# Altium PCB Pleiades_PP.PcbDoc (part 4 of 15)
Units mil, origin at the board's own origin, x right, y up, seen from the top; angles counter-clockwise.
Board outline 12244.09 x 4515.28 mil, 12 copper layers (TOP, GND1, IN1, GND2, POW1, GND3, POW2, GND4, GND5, IN2, GND6, BOT), stack 63.546 mil thick; 1447 components, 738 nets, 4532 pads, 3316 vias.
Unrouted connection lines stored in the file: 499.
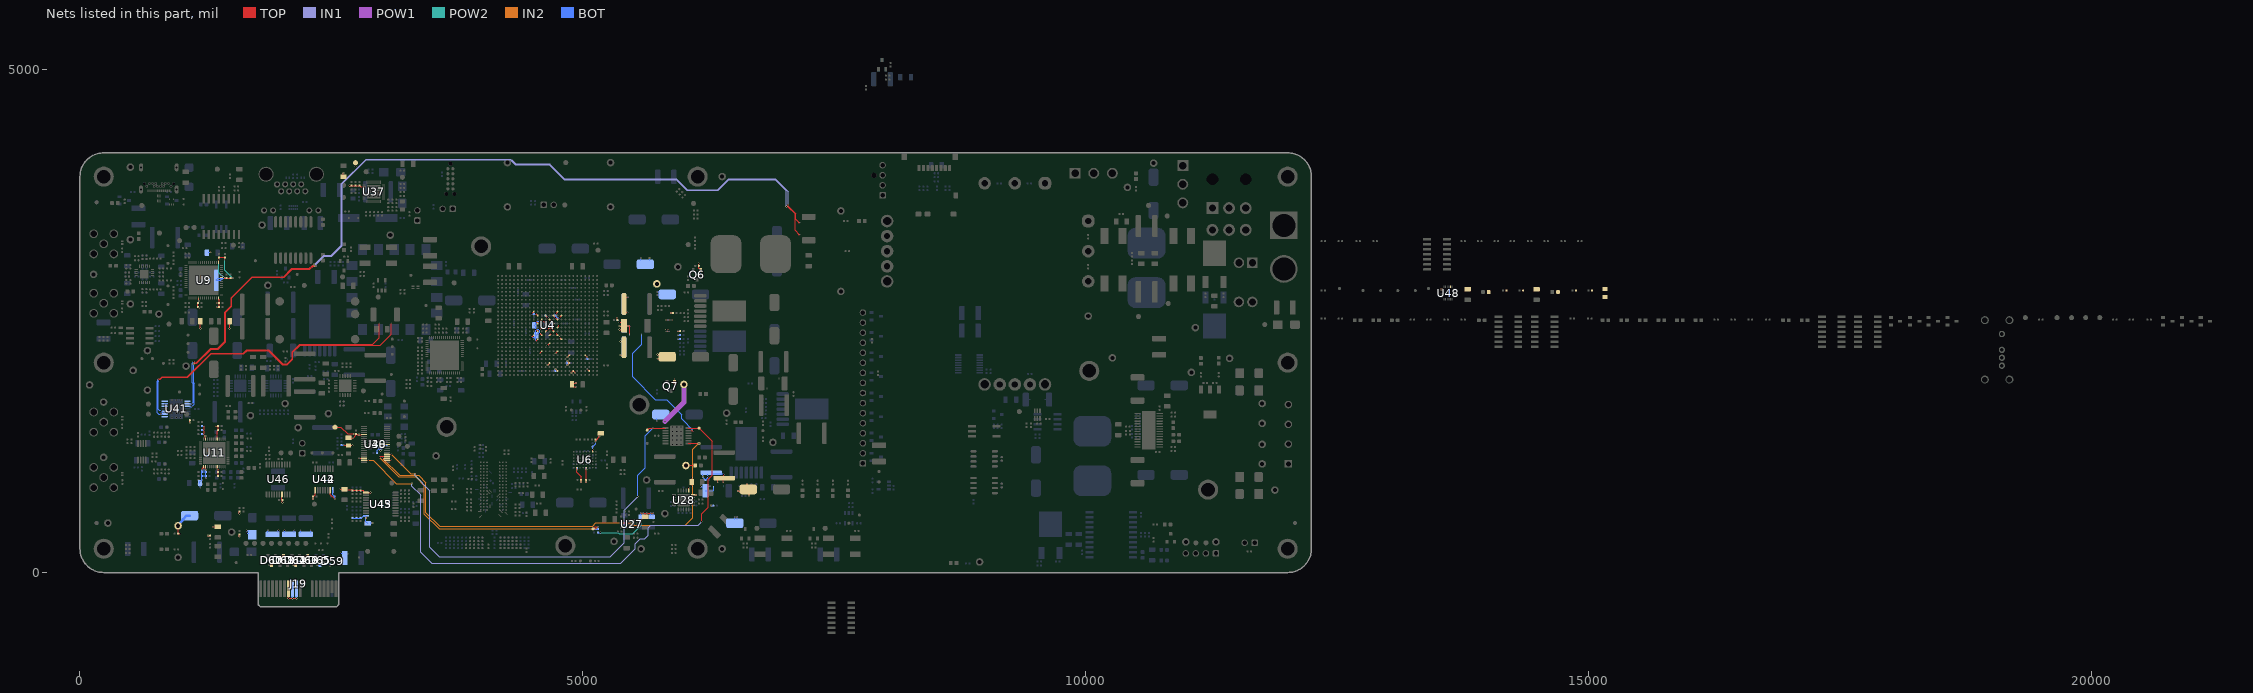
[diagram p14: the nets of this part, all layers, seen from the top]

## Part data (continued)
C105 C221 C230 C231 C240 C247 C256 C263 C304 C335 C362 C363 C370 C399 C402 C422 C426 C443 C446 C447 C448 C455 C482 C530 C557 C561: library part CAP_CER, "GRT31CR61H106KE01L / 1206 10uF 10% X5R Ceramic Capacitor", Mfr=Murata, Operating Temperature="-55C - 85C", Ratings=AEC-Q200, Supplier Part Number 1=GRT31CR61H106KE01L, Temperature Coefficient=X5R, Tolerance=10%, Voltage - Rated=50V, ComponentLink1Description=Digikey, ComponentLink1URL="[Digikey Link]", ComponentLink2Description=Datasheet, ComponentLink2URL="[Datasheet Link]", Part#=GRT31CR61H106KE01L, Supplier 1="Arrow Electronics"
C107 C114 C115 C125 C130 C138 C143 C220 C229 C350 C351 C407 C408 C414 C417 C436 C437 C461 C467 C468 C472 C481 C560: library part CAP_ALU_MAL215099101E3, "CAP - ALU 100uF 20% 50V - 1010", Current=490mA, Package=1010, Supplier Part Number 1=4399PHDKR-ND, Temperature="-55°C to 125°C", Voltage=50V, CreatedBy="Jonathan Bouchard", HelpURL=http://www.vishay.com/docs/28395/150crz.pdf, Mfg="Vishay Dale", Mfg Part Number=MAL215099101E3, Precision=20%, Supplier 1=Digikey
C108 C109 C116 C117 C118 C126 C131 C135 C139 C144 C147: library part CAP_CER, "CGA8L2X7R1E475M160KA / 1812 4.7uF 20% X7R Ceramic Capacitor", Mfr=TDK, Operating Temperature="-55C - 125C", Ratings=AEC-Q200, Supplier Part Number 1=57AK9414, Temperature Coefficient=X7R, Tolerance=20%, Voltage - Rated=25V, ComponentLink1Description=Digikey, ComponentLink1URL=https://www.digikey.ca/en/products/detail/tdk-corporation/CGA9N1X7R1V476M230KC/15930202, ComponentLink2Description=Datasheet, ComponentLink2URL=https://product.tdk.com/system/files/dam/doc/product/capacitor/ceramic/mlcc/catalog/mlcc_automotive_general_en.pdf, ComponentLink3Description=TDK, ComponentLink3URL=https://product.tdk.com/en/search/capacitor/ceramic/mlcc/info?part_no=CGA9N1X7R1V476M230KC, ComponentLink4Description=Octopart, ComponentLink4URL=https://octopart.com/cga9n1x7r1v476m230kc-tdk-122377816?r=sp, Part#=CGA9N1X7R1V476M230KC, Supplier 1=Newark
C150: library part CAP_CER, Temperature Coefficient=X7R, Voltage - Rated=25V, ComponentLink1Description=Digikey, ComponentLink1URL="[Digikey Link]", ComponentLink2Description=Datasheet, ComponentLink2URL="[Datasheet Link]"
C151: library part CAP_CER, "0402 100nF X7R Ceramic Capacitor", Temperature Coefficient=X7R, Voltage - Rated=50V, ComponentLink1Description=Digikey, ComponentLink1URL="[Digikey Link]", ComponentLink2Description=Datasheet, ComponentLink2URL="[Datasheet Link]"
C154 C158 C159 C161 C179 C182 C227 C352 C487 C489 C511: library part CAP_CER, "GRT31CR61H106KE01L / 1206 10uF 10% X5R Ceramic Capacitor", Mfr=Murata, Operating Temperature="-55C - 85C", Ratings=AEC-Q200, Temperature Coefficient=X5R, Tolerance=10%, Voltage - Rated=50V, ComponentLink1Description=Digikey, ComponentLink2Description=Datasheet, Part#=GRT31CR61H106KE01L
  C154 C158 C159 C161 C179 C182 C227 C352 C489 C511: ComponentLink1URL="[Digikey Link]", ComponentLink2URL="[Datasheet Link]"
  C487: ComponentLink1URL=https://www.digikey.ca/en/products/detail/murata-electronics/GRT31CR61H106KE01L/5416878, ComponentLink2URL=https://search.murata.co.jp/Ceramy/image/img/A01X/G101/ENG/GRT31CR61H106KE01-01.pdf, ComponentLink3Description=Octopart, ComponentLink3URL=https://octopart.com/grt31cr61h106ke01l-murata-62921736, ComponentLink4Description=Murata, ComponentLink4URL=https://www.murata.com/en-us/products/productdetail?partno=GRT31CR61H106KE01%23
C156 C165 C166 C167 C186 C187 C188 C206 C207 C208 C209 C210 C215 C216 C217 C245 C246 C252 C253 C261 C262 C268 C269 C293 C294 C295 C296 C297 C298 C299 C301 C302 C303 C307 C315 C316 C317 C318 C325 C326 C327 C328 C329 C338 C347 C348 C349 C359 C360 C367 C373 C431 C433 C450 C514 C518 C522 C526 C552 C553 C566 C567 C574 C577 C583 C584 C589 C590 C596 C599: library part CAP_CER, "GCM155R72A102KA37D / 0402 1nF 10% X7R Ceramic Capacitor", Mfr=Murata, Operating Temperature="-55C - 125C", Ratings=AEC-Q200, Temperature Coefficient=X7R, Tolerance=10%, Voltage - Rated=100V, ComponentLink1Description=Digikey, ComponentLink1URL="[Digikey Link]", ComponentLink2Description=Datasheet, ComponentLink2URL="[Datasheet Link]", Part#=GCM155R72A102KA37D
C157 C238 C239 C254 C255 C291 C292 C319 C320 C321 C322 C330 C331 C332 C333 C334 C554 C555 C564 C565 C575 C576 C585 C586 C587 C588 C597 C598: library part CAP_CER, "GCM155R72A331KA37D / 0402 330pF 10% X7R Ceramic Capacitor", Mfr=Murata, Operating Temperature="-55C - 125C", Ratings=AEC-Q200, Supplier Part Number 1=GCM155R72A331KA37D, Temperature Coefficient=X7R, Tolerance=10%, Voltage - Rated=100V, ComponentLink1Description=Digikey, ComponentLink1URL=https://www.digikey.ca/en/products/detail/murata-electronics/GCM155R72A331KA37D/2591348, ComponentLink2Description=Datasheet, ComponentLink2URL=https://search.murata.co.jp/Ceramy/image/img/A01X/G101/ENG/GCM155R72A331KA37-01A.pdf, ComponentLink3Description=Murata, ComponentLink3URL=https://www.murata.com/en-us/products/productdetail?partno=GCM155R72A331KA37%23, ComponentLink4Description=Octopart, ComponentLink4URL=https://octopart.com/gcm155r72a331ka37d-murata-18331888?r=sp, Part#=GCM155R72A331KA37D, Supplier 1="Arrow Electronics"
C168 C169 C170 C189 C190 C191 C237 C274 C275 C276 C277 C287 C288: library part CAP_CER, "GCM155R71H471KA37J / 0402 470pF 10% X7R Ceramic Capacitor", Mfr=Murata, Operating Temperature="-55C - 125C", Ratings=AEC-Q200, Temperature Coefficient=X7R, Tolerance=10%, Voltage - Rated=50V, ComponentLink1Description=Digikey, ComponentLink1URL=https://www.digikey.ca/en/products/detail/murata-electronics/GCM155R71H471KA37J/2591324, ComponentLink2Description=Datasheet, ComponentLink2URL=https://search.murata.co.jp/Ceramy/image/img/A01X/G101/ENG/GCM155R71H471KA37-01A.pdf, ComponentLink3Description=Murata, ComponentLink3URL=https://www.murata.com/en-us/products/productdetail?partno=GCM155R71H471KA37%23, ComponentLink4Description=Octopart, ComponentLink4URL=https://octopart.com/gcm155r71h471ka37j-murata-17803389?r=sp, Part#=GCM155R71H471KA37J
C171 C172 C173 C174 C192 C193 C194 C195 C278 C279 C280 C281 C289 C290: library part CAP_CER, "0201 68pF 5% C0G 50V Ceramic Capacitor / CGA1A2C0G1H680J030BA", Mfr=TDK, Operating Temperature="-55C - 125C", Ratings=AEC-Q200, Supplier Part Number 1=CGA1A2C0G1H680J030BA, Temperature Coefficient=C0G, Tolerance=5%, Voltage - Rated=50V, ComponentLink1Description=Digikey, ComponentLink1URL=https://www.digikey.ca/en/products/detail/tdk-corporation/CGA1A2C0G1H680J030BA/3648597, ComponentLink2Description=Datasheet, ComponentLink2URL=https://product.tdk.com/system/files/dam/doc/product/capacitor/ceramic/mlcc/charasheet/cga1a2c0g1h680j030ba.pdf, ComponentLink3Description=Octopart, ComponentLink3URL=https://octopart.com/cga1a2c0g1h680j030ba-tdk-26014371?r=sp, ComponentLink4Description=TDK, ComponentLink4URL=https://product.tdk.com/en/search/capacitor/ceramic/mlcc/info?part_no=CGA1A2C0G1H680J030BA, Part#=CGA1A2C0G1H680J030BA, Supplier 1="Arrow Electronics"
C175 C176 C177 C178 C196 C197 C198 C199 C529: library part CAP_CER, "0402 22pF 10% X7R 16V Ceramic Capacitor / C0402C220K4RACAUTO", Mfr=KEMET, Operating Temperature="-55C - 125C", Ratings=AEC-Q200, Supplier Part Number 1=80-C0402C220K4RAUTO, Temperature Coefficient=X7R, Tolerance=10%, Voltage - Rated=16V, ComponentLink1Description=Digikey, ComponentLink1URL=https://www.digikey.ca/en/products/detail/kemet/c0402c220k4racauto/11676432, ComponentLink2Description=Datasheet, ComponentLink2URL=https://connect.kemet.com:7667/gateway/IntelliData-ComponentDocumentation/1.0/download/datasheet/C0402C220K4RACAUTO, ComponentLink3Description=Octopart, ComponentLink3URL=https://octopart.com/c0402c220k4racauto-kemet-91893749?r=sp, ComponentLink4Description=Kemet, ComponentLink4URL=https://www.kemet.com/en/us/capacitors/ceramic/product/C0402C220K4RACAUTO.html, ComponentLink5Description=Specsheet, ComponentLink5URL=https://search.kemet.com/component-documentation/download/specsheet/C0402C220K4RACAUTO, Part#=C0402C220K4RACAUTO, Supplier 1=Mouser
C219 C228 C480: library part CAP_ALU_MAL214699108E3, "CAP - ALU 470uF 20% 50V - 1616", Current=1.3A, Package=1616, Supplier Part Number 1=4442PHCT-ND, Temperature="-55°C to 125°C", Voltage=50V, CreatedBy="Jonathan Bouchard", HelpURL=http://www.vishay.com/docs/28403/146cti.pdf, Mfg="Vishay Dale", Mfg Part Number=MAL214699108E3, Precision=20%, Supplier 1=Digikey
C223 C224 C441 C523: library part CAP_CER, "GRT31CR71H225KE13L / 1206 2.2uF 10% X7R Ceramic Capacitor", Mfr=Murata, Operating Temperature="-55C - 125C", Ratings=AEC-Q200, Temperature Coefficient=X7R, Tolerance=10%, Voltage - Rated=50V, ComponentLink1Description=Digikey, ComponentLink1URL=https://www.digikey.ca/en/products/detail/murata-electronics/GRT31CR71H225KE13L/10700891, ComponentLink2Description=Datasheet, ComponentLink2URL=https://search.murata.co.jp/Ceramy/image/img/A01X/G101/ENG/GRT31CR71H225KE13-01A.pdf, ComponentLink3Description=Octopart, ComponentLink3URL=https://octopart.com/grt31cr71h225ke13l-murata-76584457?r=sp, ComponentLink4Description=Murata, ComponentLink4URL=https://www.murata.com/en-us/products/productdetail?partno=GRT31CR71H225KE13%23, Part#=GRT31CR71H225KE13L
C270 C282 C390 C391 C392 C394 C395 C396 C405 C409 C410 C415 C419 C434 C438 C439 C451 C452 C453 C462 C463 C465 C469 C470 C473 C474 C515: library part CAP_CER, "CGA9P3X7R1H226M250KB / 2220 22uF 20% X7R Ceramic Capacitor", Mfr=TDK, Operating Temperature="-55C - 125C", Ratings=AEC-Q200, Supplier Part Number 1=CGA9P3X7R1H226M250KB, Temperature Coefficient=X7R, Tolerance=20%, Voltage - Rated=50V, ComponentLink1Description=Digikey, ComponentLink1URL=https://www.digikey.ca/en/products/detail/tdk-corporation/CGA9P3X7R1H226M250KB/10240627, ComponentLink2Description=Datasheet, ComponentLink2URL=https://product.tdk.com/system/files/dam/doc/product/capacitor/ceramic/mlcc/charasheet/cga9p3x7r1h226m250kb.pdf, ComponentLink3Description=TDK, ComponentLink3URL=https://product.tdk.com/en/search/capacitor/ceramic/mlcc/info?part_no=CGA9P3X7R1H226M250KB, ComponentLink4Description=Octopart, ComponentLink4URL=https://octopart.com/cga9p3x7r1h226m250kb-tdk-102764996?r=sp, Part#=CGA9P3X7R1H226M250KB, Supplier 1="Arrow Electronics"
C342 C343 C345 C361 C604 C608: library part CAP_CER, "GCM188R71H224KA64D / 0603 220nF 10% X7R Ceramic Capacitor", Mfr=Murata, Operating Temperature="-55C - 125C", Ratings=AEC-Q200, Temperature Coefficient=X7R, Tolerance=10%, Voltage - Rated=50V, ComponentLink1Description=Digikey, ComponentLink1URL="[Digikey Link]", ComponentLink2Description=Datasheet, ComponentLink2URL="[Datasheet Link]", Part#=GCM188R71H224KA64D
C377 C378 C379 C380 C381 C382 C383 C384: library part CAP_CER, ComponentLink1Description=Digikey, ComponentLink1URL="[Digikey Link]", ComponentLink2Description=Datasheet, ComponentLink2URL="[Datasheet Link]"
C418 C425 C556: library part CAP_CER, "CGA9N1X7R1V476M230KC / 2220 47uF 20% X7R Ceramic Capacitor", Mfr=TDK, Operating Temperature="-55C - 125C", Ratings=AEC-Q200, Supplier Part Number 1=57AK9414, Temperature Coefficient=X7R, Tolerance=20%, Voltage - Rated=35V, ComponentLink1Description=Digikey, ComponentLink1URL=https://www.digikey.ca/en/products/detail/tdk-corporation/CGA9N1X7R1V476M230KC/15930202, ComponentLink2Description=Datasheet, ComponentLink2URL=https://product.tdk.com/system/files/dam/doc/product/capacitor/ceramic/mlcc/catalog/mlcc_automotive_general_en.pdf, ComponentLink3Description=TDK, ComponentLink3URL=https://product.tdk.com/en/search/capacitor/ceramic/mlcc/info?part_no=CGA9N1X7R1V476M230KC, ComponentLink4Description=Octopart, ComponentLink4URL=https://octopart.com/cga9n1x7r1v476m230kc-tdk-122377816?r=sp, Part#=CGA9N1X7R1V476M230KC, Supplier 1=Newark
C509 C510: library part CAP_CER, "0402 22pF X7R Ceramic Capacitor / C0402C220K4RACAUTO", Temperature Coefficient=X7R, Voltage - Rated=16V, ComponentLink1Description=Digikey, ComponentLink1URL="[Digikey Link]", ComponentLink2Description=Datasheet, ComponentLink2URL="[Datasheet Link]"
D1 D2 D19 D22 D25 D26 D27 D28 D29 D30 D31 D32 D36 D38 D39 D60 D61 D62 D63 D64 D65 D66 D67 D68 D69 D70 D71 D72 D73 D74 D75: library part DIODE_TVS_DUAL, "Diode Array 1 Pair Series Connection 75 V 300mA (DC) Surface Mount TO-236-3, SC-59, SOT-23-3", Capacitance=2pF, Current=300mA, Current - Reverse Leakage="2.5µA @ 75V", Mfr="Diodes Incorporated", Operating Temperature="-65C - 150C", Package / Case=SOT-23-3, Supplier Part Number 1=3851920, Voltage - DC Reverse=75V, Voltage - Forward="1.25V @ 150mA", ComponentLink1Description=Digikey, ComponentLink1URL=https://www.digikey.ca/en/products/detail/diodes-incorporated/BAV99-7-F/815018, ComponentLink2Description=Datasheet, ComponentLink2URL=https://www.diodes.com/assets/Datasheets/BAV99.pdf, ComponentLink3Description=Octopart, ComponentLink3URL=https://octopart.com/bav99-7-f-diodes+inc.-326328, Reverse Recovery Time=4ns, Supplier 1="Future Electronics"
D3 D10 D11 D12 D13 D54 D55: library part DIODE_TVS, "53.3V Clamp 11.3A Ipp Tvs Diode Surface Mount SMB", Current=11.3A, Mfr=SMBJ33CAQ-13-F, Package / Case=SMB, Voltage - Breakdown=36.7V, Voltage - Reverse=33V, ComponentLink1Description=Digikey, ComponentLink1URL=https://www.digikey.ca/en/products/detail/diodes-incorporated/SMBJ33CAQ-13-F/9738859
D4 D5 D33 D34 D40 D47 D48 D49 D50 D51 D52 D53 D56 D57: library part LED_SML-311UTT86, "LED - 620nM RED 2mA - 0603", Current=2mA, Mfg Part Number=SML-311UTT86, Package=0603, Power=44mW, Supplier Part Number 1=511-1304-1-ND, Temperature="-30°C to 85°C", Voltage=1.8V, CreatedBy="Jonathan Bouchard", HelpURL=http://media.digikey.com/pdf/Data%20Sheets/Rohm%20PDFs/SML-311%20Series.pdf, Mfg="ROHM Semiconductor", Supplier 1=Digikey
D6 D7 D8 D9 D44 D45: library part TVS_DATA_TPD1E1B04DPYR, "TVS - TVS DIODE 3.6V 8.5V - 0402", Current Rating=6.3Apeak, Manufacturer #1="Texas Instruments", Package=0402, Power Max=50Wpeak, Supplier Part Number 1=296-47364-1-ND, Temperature="-40°C ~ 125°C (TA)", Voltage Rating=3.6V, Assembly Type=SMD, CreatedBy/Date="Keven Deslandes - 2018/10/19", Cryo=UNKNOWN, GRAMS Lib Spec=2.8, HelpURL=http://www.ti.com/lit/ds/symlink/tpd1e1b04.pdf, Magnetic Material=Unknown, Part Number #1=TPD1E1B04DPYR, Polarized=No, Supplier 1=Digi-Key, VerifiedBy="Caroline Paulin - 28 janv 2019"
D14 D15 D16 D17: library part DIODE_SHOTTKEY, "Generic Shottkey Diode", Current=3A, Forward Voltage="500mV @ 3A", Mfr="Diodes Incorporated", Package / Case=SMB, Reverse Voltage=40V, Supplier Part Number 1=6160261, ComponentLink1Description=Digikey, ComponentLink1URL=https://www.digikey.ca/en/products/detail/diodes-incorporated/B340B-13-F/768869, ComponentLink2Description=Octopart, ComponentLink2URL=https://octopart.com/b340b-13-f-diodes+inc.-325817?r=sp, Diode Type=Schottky, Qualification=AEC-Q101, Supplier 1="Future Electronics"
D18 D20 D21 D23 D24 D41: library part LED_SML-311DTT86, "LED - 611nM ORANGE 2mA - 0603", Current=2mA, Mfg Part Number=SML-311DTT86, Package=0603, Power=44mW, Supplier Part Number 1=511-1303-1-ND, Temperature="-40°C to 85°C", Voltage=1.8V, CreatedBy="Jonathan Bouchard", HelpURL=http://media.digikey.com/pdf/Data%20Sheets/Rohm%20PDFs/SML-311%20Series.pdf, Mfg="ROHM Semiconductor", Supplier 1=Digikey
D35 D59: library part TVS_USB_TPD2E001DRLR, "TVS - USB TVS DIODE 5.5V - SOT-553", Manufacturer #1="Texas Instruments", Package=SOT-553, Supplier Part Number 1=296-21883-1-ND, Temperature="-40°C ~ 85°C (TA)", Voltage Rating="5.5V (Max)", Assembly Type=SMD, CreatedBy/Date="Jonathan Bouchard 2018-07-10", Cryo=UNKNOWN, GRAMS Lib Spec=2.8, HelpURL=http://www.ti.com/lit/ds/symlink/tpd2e001.pdf, Magnetic Material=YES, Part Number #1=TPD2E001DRLR, Polarized=YES, Supplier 1=Digi-Key, VerifiedBy="Arnaud Samson 16-07-18"
D37: library part TVS_PWR_SMBJ5.0CA, "TVS - BIDIR 5V 9.2V 600W - DO214AA", Current Rating="65.3 A (Ipp)", Manufacturer #1="Littelfuse Inc.", Package=DO214AA, Power Max="600W (Pppm)", Supplier Part Number 1=SMBJ5.0CALFCT-ND, Temperature="-65°C ~ 150°C (TJ)", Voltage Rating="5V Standoff", Assembly Type=SMD, CreatedBy/Date="Jonathan Bouchard - 2019-03-22", Cryo=UNKNOWN, GRAMS Lib Spec=2.8, HelpURL=http://www.littelfuse.com/~/media/electronics/datasheets/tvs_diodes/littelfuse_tvs_diode_smbj_datasheet.pdf.pdf, Magnetic Material=UNKNOWN, Part Number #1=SMBJ5.0CA, Polarized=NO, Supplier 1=Digi-Key, VerifiedBy="Nicolas V. (2019-05-06)"
D42 D58: library part TVS_DATA_TPD4E05U06, "TVS - TVS DIODE 5.5VWM 14VC - 10SON", Current Rating="2.5A (8/20µs)", Manufacturer #1="Texas Instruments", Package=10-USON, Part Number #1=TPD4E05U06DQAR, Power Max="40 W (peak)", Supplier Part Number 1=296-35765-1-ND, Temperature="-40°C ~ 125°C", Voltage Rating="6V (Breakdown)", Assembly Type=SMD, CreatedBy/Date="Olivier Bernard / 12/3/2018", Cryo=UNKNOWN, GRAMS Lib Spec=2.8, HelpURL=http://www.ti.com/lit/ds/symlink/tpd4e05u06.pdf, Magnetic Material=UNKNOWN, Polarized=YES, Supplier 1=Digi-Key, VerifiedBy="Caroline Paulin / 4 juillet 2018"
D43 D46: library part DIODE_SHOTTKEY, "VS-15MQ040HM3/5AT", Current=1.5A, Forward Voltage="430mV @ 1.5A", Package / Case=SMA, Reverse Voltage=40V, ComponentLink1Description=Digikey, ComponentLink1URL=https://www.digikey.ca/en/products/detail/diodes-incorporated/B340B-13-F/768869, ComponentLink2Description=Octopart, ComponentLink2URL=https://octopart.com/b340b-13-f-diodes+inc.-325817?r=sp, Diode Type=Schottky, Qualification=AEC-Q101
F1: library part FUSE_HOLDER_3568, "FUSE HOLDER BLADE", Current - Max=30A, Mfr=Keystone, Operating Temperature="-50C - 145C", Voltage Rating=500V, Created By="Pascal-Emmanuel Lachance"
F2: library part FUSE_0297010.WXNV, "FUSE AUTO 10A 32V BLADE MINI", Current - Hold=10A, Current - Max=40A, Mfr=Littelfuse, Operating Temperature="-40C - 125C", Package / Case="BLADE MINI AUTO", Resistance=7.42mR, Voltage Rating=32V, ComponentLink1Description=Datasheet, ComponentLink1URL=https://www.littelfuse.com/~/media/automotive/datasheets/fuses/passenger-car-and-commercial-vehicle/blade-fuses/littelfuse_mini_datasheet.pdf, ComponentLink2Description=Digikey, ComponentLink2URL=https://www.digikey.ca/en/products/detail/littelfuse-inc/0297010-WXNV/146591, ComponentLink3Description=Mouser, ComponentLink3URL=https://www.mouser.ca/ProductDetail/Littelfuse/0297010WXNV, ComponentLink4Description=Octopart, ComponentLink4URL=https://octopart.com/0297010.wxnv-littelfuse-566872, Created By="Pascal-Emmanuel Lachance", Current - Trip=10A, Rule="Component Clearance Constraint [Horizontal Clearance = -1mil    Vertical Clearance = 10mil]", Time to Trip=100ms
FB1 FB2 FB3 FB4: library part FERRITE_BEAD, "600 Ohms @ 100 MHz 1 Signal Line Ferrite Bead 0603 (1608 Metric) 1A 200mOhm", Current Rating=1A, Impedance @ Freq="600Ω @ 100MHz", Manufacturer="Wurth Elektronik", Operating Temperature="-55C - 125C", Package / Case=0603, Rating=AEC-Q200, Resistance=200mR, Supplier Part Number 1=732-6703-1-ND, ComponentLink1Description=Digikey, ComponentLink1URL=https://www.digikey.ca/en/products/detail/w%C3%BCrth-elektronik/782633601/5168802, ComponentLink3Description=Octopart, ComponentLink3URL=https://octopart.com/782633601-wurth+elektronik-56466764, ComponentLink5Description=Datasheet, ComponentLink5URL=https://www.we-online.com/components/products/datasheet/782633601.pdf, Supplier 1=Digikey
FB5 FB6 FB7 FB8 FB9: library part FERRITE_BEAD, "600 Ohms @ 100 MHz 1 Signal Line Ferrite Bead 0603 (1608 Metric) 1A 200mOhm", Current Rating=700mA, Impedance @ Freq="1K5 @ 100MHz", Manufacturer="Wurth Elektronik", Operating Temperature="-55C - 125C", Package / Case=0805, Rating=AEC-Q200, Resistance=350mR, ComponentLink1Description=Digikey, ComponentLink1URL=https://www.digikey.ca/en/products/detail/w%C3%BCrth-elektronik/782853152/5168812, ComponentLink3Description=Octopart, ComponentLink3URL=https://octopart.com/782853152-wurth+elektronik-56466774?r=sp, ComponentLink5Description=Datasheet, ComponentLink5URL=https://www.we-online.com/en/components/products/datasheet/782853152.pdf
H1: library part MECH_LAYER_MARKER
H3 H5 H7 H9 H11 H13 H15 H17: library part M3_STANDOFF, Supplier Part Number 1=RPC1573-ND, ComponentLink1Description=Digikey, ComponentLink1URL=https://www.digikey.ca/en/products/detail/essentra-components/mts-20/392825, ComponentLink2Description=Mfr, ComponentLink2URL=https://www.essentracomponents.com/en-ca/p/pcb-standoffs-hexagonal-metric-imperial-threaded-plastic/mts-20, Length=20.1MM, Supplier 1=Digikey, Thread Size=M3
HEAT1 HEAT3: library part HEATSINK_ATS-CPX025025015-166-C1-R0, "Heatsink Aluminium", Mfr="Advanced Thermal Solutions Inc.", Supplier Part Number 1=ATS35911-ND, Thermal Resistance="12.12°C/W @ 100LFM", ComponentLink1Description=Digikey, ComponentLink1URL=https://www.digikey.ca/en/products/detail/advanced-thermal-solutions-inc/ATS-CPX025025015-166-C1-R0/4753829, ComponentLink2Description=Mfr, ComponentLink2URL=https://www.qats.com/Search/HeatSink/2670.aspx, Fin Height=15mm, Hole Size=3.175mm, Hole-to-hole=42.42mm, Length=25mm, Material=Aluminium, Supplier 1=Digikey, Width=25mm
HEAT2: library part HEATSINK_ATS-H1-152-C2-R0, "Heatsink Aluminium", Mfr="Advanced Thermal Solutions Inc.", Supplier Part Number 1=ATS36354-ND, Thermal Resistance="3.32°C/W @ 100LFM", ComponentLink1Description=Digikey, ComponentLink1URL=https://www.digikey.com/en/products/detail/advanced-thermal-solutions-inc/ATS-H1-152-C2-R0/4624447, ComponentLink2Description=Mfr, ComponentLink2URL=https://www.qats.com/Online-PushPin/ATS-H1-152-C2-R0, Fin Height=35mm, Hole Size=3mm, Hole-to-hole=56,5685mm, Length=35, Material=Aluminium, Supplier 1=Digikey, Width=35
ISO1 ISO3: "Logic Output Optoisolator Push-Pull, Totem Pole 4000Vrms 1 Channel 25kV/µs CMTI 5-SO", Current - Forward=20mA, Mfr="Broadcom Limited", Operating Temperature="-40C - 125C", Package="SOIC6 - 5 Leads", Voltage - Forward=1.5V, Voltage - Isolation=4000Vrms, Voltage - Supply="3V - 5.5V", Common Mode Transient=25kV/us, ComponentLink1Description=Digikey, ComponentLink1URL=https://www.digikey.ca/en/products/detail/broadcom-limited/ACPL-M72T-000E/2347227, ComponentLink2Description=Datasheet, ComponentLink2URL=https://docs.broadcom.com/doc/AV02-2180EN, Number Of Channels=1, Output Topology=Push-Pull, Qualification=AEC-Q100
ISO2: library part ISO_ADUM3160BRWZ-RL, "ISO - DGTL ISO 2.5KV 2CH USB - 16SOIC", Manufacturer #1="Analog Devices", Package=16-SOIC, Supplier Part Number 1=ADUM3160BRWZ-RLCT-ND, Temperature="-40°C ~ 105°C", Voltage Rating=3~5.5V, Assembly Type=SMD, CreatedBy/Date="Tommy Rossignol 2018-11-16", Cryo=UNKNOWN, GRAMS Lib Spec=2.8, HelpURL=https://www.analog.com/media/en/technical-documentation/data-sheets/ADuM3160.pdf, Magnetic Material=UNKNOWN, Part Number #1=ADUM3160BRWZ-RL, Polarized=Yes, Supplier 1=Digi-Key, VerifiedBy="Caroline Paulin - 13 février 2019"
J1 J4 J13 J22 J24: library part HEADER_2
J2 J12: library part HEADER_4
J5: library part CON_MINIFIT_0039300060, "CON - Mini-Fit Through Hole, Right Angle 6 position", Current Rating=8A, Manufacturer #1=Molex, Package=TH, Supplier Part Number 1=WM21353-ND, Temperature="- 40°C to + 80°C", Voltage Rating=600V, Assembly Type=TH, CreatedBy/Date="Joel Lemay 2018-06-21", Cryo=UNKNOWN, GRAMS Lib Spec=2.8, HelpURL=https://www.molex.com/pdm_docs/sd/039300060_sd.pdf, Magnetic Material=Unknown, Part Number #1=0039300060, Polarized=Yes, Supplier 1=Digi-Key, VerifiedBy="Caroline Paulin - 10 sept 2018"
J6: library part XT90, Current (Continuous)=90A, Operating Temperature="-20C - 120C", Resistance="0.8 Ohm", Type=XT90
J7 J8 J9 J10: library part CONN_SMA_5-1814400-1, "5-1814400-1 / CONN -  SMA JACK R/A 50 OHM - TH", Mfg Part Number=5-1814400-1, Package=TH-5, Supplier Part Number 1=A97593-ND, Temperature="-55°C ~ 85°C", CreatedBy="Jonathan Bouchard", HelpURL=http://www.te.com/commerce/DocumentDelivery/DDEController?Action=srchrtrv&DocNm=1814400&DocType=Customer+Drawing&DocLang=English, Mfg="TE Connectivity AMP Connectors", Supplier 1=Digikey
J11: library part CONN_TERMINAL_OSTTC040162, "CONN -  TERMINAL BLOCK 4POS 5MM - TH", Mfg Part Number=OSTTC040162, Package=TH-4, Supplier Part Number 1=ED2602-ND, Temperature="-30°C ~ 105°C", CreatedBy="Jonathan Bouchard", HelpURL=http://www.on-shore.com/wp-content/uploads/2015/09/osttcxx0162.pdf, Mfg="On Shore Technology Inc.", Supplier 1=Digikey
J15: library part MICROSD_10, "10 (8 + 2) Position Card Connector Secure Digital - microSD™ Surface Mount, Right Angle Gold"
J16: library part HEADER_16
J17: library part CONN_UJ31-CH-G2-SMT-TR, "Type C, USB 3.1 Gen 2, 5 A, Right Angle, Surface Mount _SMT_, USB Receptacle", Current Rating=6.25A, Digikey Part Number=102-4483-1-ND, Mfr="CUI Devices", Operating Temperature="-25C - 80C", Voltage Rating=20V, ComponentLink1Description=Digikey, ComponentLink1URL=https://www.digikey.ca/en/products/detail/cui-devices/UJ31-CH-G2-SMT-TR/8024057, Connector Type=USB-C, Number of Contacts=24, Specifications="USB 3.2 Gen 2 (USB 3.1 Gen 2, Superspeed + (USB 3.1))", Supplier 1=Digi-Key, Supplier Part Number 1=102-4483-1-ND
J18: library part CONN_ETHERNET_RJHSE-5385, "CONN - MOD JACK RJ45 R/A ETHERNET - TH", Package=TH-12, Supplier Part Number 1=RJHSE-5385-ND, Temperature="-55°C ~ 85°C", CreatedBy="Jonathan Bouchard", HelpURL=https://www.amphenolcanada.com/ProductSearch/drawings/AC/RJHSE538X.pdf, Mfg=Amphenol, Mfg Part Number=RJHSE-5385, Supplier 1=Digikey
J20: library part TC2050-NL
L1 L4: library part INDUCTOR, "Generic Inductor", Current Rating=5A, Inductance=10uH, Operating Temperature="-40C - 125C", Package / Case=Nonstandard, Q @ Freq=-, Ratings=AEC-Q200, Resistance=25.5mR, Supplier Part Number 1=732-10707-1-ND, Tolerance=20%, ComponentLink1Description=Digikey, ComponentLink1URL=https://www.digikey.ca/en/products/detail/w%C3%BCrth-elektronik/74439346100/6236306, ComponentLink2Description=Datasheet, ComponentLink2URL=https://www.we-online.com/components/products/datasheet/74439346100.pdf, ComponentLink3Description=Octopart, ComponentLink3URL=https://octopart.com/74439346100-wurth+elektronik-75811204?r=sp, Material="Metal Composite", Supplier 1=Digikey
L2 L3: library part IND_PLT10HH101150PNL, "IND - 2 Line Common Mode Choke Surface Mount 100 Ohms @ 10MHz 15A DCR 2.3 mOhm - SMD (12.9mm L x 6.6mm W x 9.4mm H)", Current Rating=15A, Manufacturer #1="Murata Electronics North America", Package="SMD (12.9mm L x 6.6mm W x 9.4mm H)", Supplier Part Number 1=490-12821-1-ND, Temperature="-55°C ~ 125°C", Voltage Rating=300VDC, Assembly Type=SMD, CreatedBy/Date="Tommy Rossginol - 2019/04/09", Cryo=UNKNOWN, GRAMS Lib Spec=2.8, HelpURL=https://www.murata.com/en-eu/products/productdata/8796754935838/QFLB9101.pdf, Magnetic Material=Yes, Part Number #1=PLT10HH101150PNL, Polarized=No, Supplier 1=Digi-Key, VerifiedBy="Caroline Paulin - 10-04-2019"
L5 L6 L7 L8: library part INDUCTOR, "Generic Inductor", Current Rating=200mA, Inductance=47nH, Operating Temperature="-40C - 125C", Package / Case=0402, Q @ Freq="8 @ 100MHz", Ratings=AEC-Q200, Resistance=2R, Supplier Part Number 1=673-ASCH10050547NJCP, Tolerance=5%, ComponentLink1Description=Digikey, ComponentLink1URL=https://www.digikey.ca/en/products/detail/pulse-electronics/asch0010050547njcp/16505828, ComponentLink2Description=Datasheet, ComponentLink2URL=https://productfinder.pulseelectronics.com/api/open/part-attachments/datasheet/ASCH0010050547NJCP, ComponentLink3Description=Octopart, ComponentLink3URL=https://octopart.com/asch0010050547njcp-pulse-128075783?r=sp, Material=Ceramic, Supplier 1=Mouser
L9 L10 L11 L12: library part INDUCTOR, "Generic Inductor", Current Rating=200mA, Inductance=47nH, Operating Temperature="-40C - 125C", Package / Case=0402, Q @ Freq="8 @ 100MHz", Ratings=AEC-Q200, Resistance=2R, Supplier Part Number 1=553-ASCH00100505R10JCPTR-ND, Tolerance=5%, ComponentLink1Description=Digikey, ComponentLink1URL=https://www.digikey.ca/en/products/detail/pulse-electronics/asch00100505r10jcp/16503422, ComponentLink2Description=Datasheet, ComponentLink2URL=https://productfinder.pulseelectronics.com/api/open/part-attachments/datasheet/ASCH0010050547NJCP, ComponentLink3Description=Octopart, ComponentLink3URL=https://octopart.com/asch00100505r10jcp-pulse-128075794?r=sp, Material=Ceramic, Supplier 1=Digikey
L13 L14: library part IND_DLM11SN900HY2L, "2 Line Common Mode Choke Surface Mount 90 Ohms @ 100MHz 100mA DCR 1.38Ohm", Current Rating=100mA, DC resistance=1.38Ohm, Operating Temperature="-40C - 85C", Package=0504, Supplier Part Number 1=490-11941-1-ND, Voltage Rating=5V, Impedance="90 Ohms @ 100MHz", Supplier 1=Digi-Key
M1: library part MOD_JTAG_410-357-B, "MOD - JTAG-SMT3-NC Programming Module For Xilinx FPGA - 18-SMT", Manufacturer #1=Digilent, Package="18-pad SMT", Supplier Part Number 1=1286-1196-ND, Temperature="-40°C ~ 85°C", Voltage Rating="VDD: 2.97V~3.63V, VJTAG/VUART: 1.65V~5.5V", Assembly Type=SMD, CreatedBy/Date="Tommy Rossignol 2018-11-23", Cryo=UNKNOWN, GRAMS Lib Spec=2.8, HelpURL=https://reference.digilentinc.com/_media/reference/programmers/jtag-smt3/jtag-smt3-nc_rm.pdf, Magnetic Material=Unknown, Note="Prior to reflow, the JTAG-SMT3-NC module must be dried at 125°C for 17 hours", Part Number #1=410-357-B, Polarized=Yes, Supplier 1=Digi-Key, VerifiedBy="Nicolas V. (2019-01-28)"
MT1 MT2 MT3 MT4 MT5 MT6 MT7 MT8: library part MOUNTING_HOLE
NT1 NT2 NT3 NT4 NT5 NT6 NT7 NT8 NT9 NT10 NT11 NT12 NT13 NT14 NT15 NT16 NT17 NT18 NT19 NT20 NT21 NT22 NT23 NT24 NT25 NT26 NT27 NT28 NT29 NT38 NT39 NT40 NT41 NT42 NT43 NT44 NT45 NT46 NT47 NT48 NT49 NT50 NT51 NT52 NT53: library part NET_TIE_SMALL
Q1 Q2: library part P_CHANNEL, "P-Channel 100 V 6.6A (Tc) 2.5W (Ta), 44W (Tc) Surface Mount TO-252AA", Current=6.6A, Mfr=onsemi, Operating Temperature="-55C - 150C", Package / Case=DPAK, ComponentLink1Description=Digikey, ComponentLink1URL=https://www.digikey.ca/en/products/detail/onsemi/FQD8P10TM-F085/2602606, ComponentLink2Description=Datasheet, ComponentLink2URL=https://www.onsemi.com/pdf/datasheet/fqd8p10tm_f085-d.pdf, Qualification=AEC-Q101, Rds ON="530mΩ @ 3.3A,10V", Vds=100V, Vgs="4V @ 250µA", Vgs (max)=30V
Q3 Q4 Q5: library part TRX_NMOS_SI2310-TP, "TRX - MOSFET N-CH 60V 3A - SOT-23", Current Rating=3A, Manufacturer #1="Micro Commercial Co", Package=SOT-23, Power Max=350mW, Supplier Part Number 1=SI2310-TPMSCT-ND, Temperature="-55°C ~ 150°C (TJ)", Voltage Rating="60V (Vds max), 2V (Vgs @ 250uA)", Assembly Type=SMD, CreatedBy/Date="Louis-Daniel Gaulin / 20-02-2020", Cryo=UNKNOWN, GRAMS Lib Spec=2.8c, HelpURL=https://www.mccsemi.com/pdf/Products/SI2310(SOT-23)-A.pdf, Magnetic Material=UNKNOWN, Part Number #1=SI2310-TP, Polarized=Yes, Supplier 1=Digi-Key, VerifiedBy="C.Paulin - 21/02/2020"
Q6 Q7: library part TRX_NMOS_SI2310-TP, Current Rating=3A, Manufacturer #1="Micro Commercial Co", Package=SOT-23, Part Number #1=SI2310-TP, Power Max=350mW, Supplier Part Number 1=BSH105,215, Temperature="-55°C ~ 150°C (TJ)", Voltage Rating="60V (Vds max), 2V (Vgs @ 250uA)", Assembly Type=SMD, CreatedBy/Date="Louis-Daniel Gaulin / 20-02-2020", Cryo=UNKNOWN, GRAMS Lib Spec=2.8c, HelpURL=https://www.mccsemi.com/pdf/Products/SI2310(SOT-23)-A.pdf, Magnetic Material=UNKNOWN, Polarized=Yes, Supplier 1=Avnet, VerifiedBy="C.Paulin - 21/02/2020"
R1 R2 R3 R4 R5 R6 R7 R8 R9 R10 R11 R12 R14 R33 R45 R46 R47 R48 R49 R50 R51 R52 R56 R57 R58 R59 R60 R61 R65 R66 R67 R68 R70 R71 R72 R73 R74 R75 R76 R77 R78 R79 R80 R81 R82 R85 R86 R89 R90 R91 R92 R93 R114 R121 R132 R145 R152 R153 R154 R155 R157 R158 R160 R161 R162 R163 R164 R165 R166 R167 R170 R171 R174 R175 R176 R177 R178 R179 R180 R181 R182 R185 R187 R188 R189 R190 R191 R192 R193 R194 R195 R196 R198 R199 R200 R201 R202 R203 R204 R205 R206 R209 R210 R211 R212 R214 R216 R217 R218 R220 R222 R223 R224 R225 R226 R228 R229 R230 R231 R232 R233 R234 R235 R236 R237 R239 R240 R244 R245 R246 R247 R248 R249 R251 R252 R253 R254 R255 R256 R257 R258 R259 R260 R261 R262 R263 R264 R265 R266 R267 R268 R269 R270 R272 R273 R274 R275 R276 R277 R278 R279 R280 R281 R282 R283 R285 R286 R287 R288 R289 R290 R291 R292 R306 R308 R309 R311 R312 R313 R314 R315 R316 R317 R318 R319 R320 R321 R322 R323 R324 R325 R326 R327 R330 R331 R332 R336 R337 R338 R339 R340 R341 R343 R344 R345 R346 R347 R348 R349 R350 R351 R352 R353 R354 R355 R358 R359 R360 R361 R369 R370 R371 R372: library part RESISTOR, Package / Case=0402, Power=1/16W, Tolerance=1%, Automotive=AEC-Q200, ComponentLink1Description=Digikey
R13 R69 R293: library part RESISTOR, Package / Case=0603, Power=1/8W, Tolerance=0.1%, Automotive=AEC-Q200, ComponentLink1Description=Digikey
R15 R16 R17 R18 R19 R20 R21 R22 R23 R24 R25 R26 R27 R28 R29 R30 R31 R32 R34 R35 R36 R37 R38 R39 R40 R41 R42 R43 R44 R53 R54 R55 R62 R64 R96 R101 R102 R107 R110 R113 R115 R116 R117 R122 R123 R124 R169 R250 R294 R295 R297 R298 R299 R300 R301 R302 R303 R304 R305 R307 R334 R335 R342: library part RESISTOR, Package / Case=0402, Power=1/8W, Tolerance=1%, Automotive=AEC-Q200, ComponentLink1Description=Digikey
R63 R99 R100 R108 R109 R296 R329 R356 R357 R362 R363 R364 R365 R366 R367 R368 R373 R374 R375: library part RESISTOR, "1M 0603 1% 1/16W Resistor", Package / Case=0603, Power=1/8W, Tolerance=0.1%, Automotive=AEC-Q200, ComponentLink1Description=Digikey
R83 R84 R87 R168 R197 R207 R208 R215 R219 R227 R238 R328 R333: library part RESISTOR, "1M 0402 1% 1/16W Resistor", Package / Case=0402, Power=1/16W, Tolerance=1%, Automotive=AEC-Q200, ComponentLink1Description=Digikey
R88 R242: library part RESISTOR, "CSRN2512FK30L0", Operating Temperature="-55C - 155C", Package / Case=2512, Power=2W, Tolerance=1%, Automotive=AEC-Q200, ComponentLink1Description=Digikey, ComponentLink1URL=https://www.digikey.ca/fr/products/detail/stackpole-electronics-inc/CSRN2512FK30L0/1646107, Part #=CSRN2512FK30L0
R94 R95 R118 R119 R125 R126 R128 R129 R130 R131 R133 R134 R135 R136 R137 R138 R139 R140 R141 R142 R143 R144 R146 R147 R148 R149 R150 R151 R284 R310: library part RESISTOR, Package / Case=0603, Power=1/8W, Tolerance=1%, Automotive=AEC-Q200, ComponentLink1Description=Digikey
R97 R98 R103 R104 R105 R106 R111 R112 R172 R173 R183 R184: library part RESISTOR, Package / Case=0402, Power=1/16W, Tolerance=0.1%, Automotive=AEC-Q200, ComponentLink1Description=Digikey
R120 R127: library part RESISTOR, "RMCF0402FT60K4", Package / Case=0402, Power=1/16W, Tolerance=1%, Automotive=AEC-Q200, ComponentLink1Description=Digikey
R156 R159 R221: library part RESISTOR, "CSRN2512FKR150", Operating Temperature="-55C - 155C", Package / Case=2512, Power=2W, Tolerance=1%, Automotive=AEC-Q200, ComponentLink1Description=Digikey, ComponentLink1URL=https://www.digikey.ca/fr/products/detail/stackpole-electronics-inc/CSRN2512FKR150/1788109, Part #=CSRN2512FKR150
R186 R213: library part RESISTOR, Operating Temperature="-55C - 155C", Package / Case=2512, Power=2W, Tolerance=1%, Automotive=AEC-Q200, ComponentLink1Description=Digikey, ComponentLink1URL=https://www.digikey.ca/fr/products/detail/stackpole-electronics-inc/CSRN2512FKR500/1742768, Part #=CSRN2512FKR500
R241 R243 R271: library part RESISTOR, "CSRN2512FK10L0", Operating Temperature="-55C - 155C", Package / Case=2512, Power=2W, Tolerance=1%, Automotive=AEC-Q200, ComponentLink1Description=Digikey, ComponentLink1URL=https://www.digikey.ca/fr/products/detail/stackpole-electronics-inc/CSRN2512FK10L0/1646104, Part #=CSRN2512FK10L0
SW1: library part SPDT_SWITCH, "1103M2S3CQE2 / Slide Switch SPDT Through Hole", Current Rating=6A, Mfr=C&K, Operating Temperature="-30C - 65C", Supplier Part Number 1=1103M2S3CQE2, Voltage Rating - AC=120V, Voltage Rating - DC=28V, ComponentLink1Description=Digikey, ComponentLink1URL=https://www.digikey.ca/en/products/detail/c-k/1103M2S3CQE2/483721, ComponentLink2Description=Datasheet, ComponentLink2URL=https://www.ckswitches.com/media/1429/1000.pdf, ComponentLink3Description=Octopart, ComponentLink3URL=https://octopart.com/1103m2s3cqe2-c%26k+components-2492778?r=sp, Cycles=40000, Supplier 1="Arrow Electronics", Switch Function=On-Off-On
SW2 SW3 SW5: library part SWI_TACT_B3SN-3012P, "SWI - TACT SPST-NO 0.05A 24V - 4-SMD", Current=50mA, Mfg Part Number=B3SN-3012P, Package=4-SMD, Supplier Part Number 1=SW261CT-ND, Temperature="-25°C ~ 70°C", Voltage=24V, CreatedBy="Jonathan Bouchard", HelpURL=http://www.omron.com/ecb/products/pdf/en-b3sn.pdf, Mfg=Omron, Supplier 1=Digikey
SW4: library part SPDT_SWITCH, "Slide Switch SPDT Through Hole", Current Rating=6A, Mfr=C&K, Operating Temperature="-30C - 65C", Supplier Part Number 1=1103M2S3CQE2, Voltage Rating - AC=120V, Voltage Rating - DC=28V, ComponentLink1Description=Digikey, ComponentLink1URL=https://www.digikey.ca/en/products/detail/c-k/1103M2S3CQE2/483721, ComponentLink2Description=Datasheet, ComponentLink2URL=https://www.ckswitches.com/media/1429/1000.pdf, ComponentLink3Description=Octopart, ComponentLink3URL=https://octopart.com/1103m2s3cqe2-c%26k+components-2492778?r=sp, Cycles=40000, Supplier 1="Arrow Electronics", Switch Function=On-Off-On
SW6: library part SP3T_SWITCH, "1825256-6 / Slide Switch SP3T Through Hole, Right Angle", Current Rating=400mA, Mfr="TE Connectivity", Operating Temperature="-20C - 85C", Voltage Rating - AC=20V, Cycles=15000, Switch Function=On-On-On, Voltage Rating - DC=20V
T1: library part TRANSFO_H1102NLT, "TRANSFO - ETHERNET 10/100B-TX - SMD-16", Package=SMD-16, Supplier Part Number 1=553-1532-1-ND, Temperature="-40°C to 85°C", CreatedBy="Jonathan Bouchard", HelpURL=http://media.digikey.com/pdf/Data%20Sheets/Pulse%20PDFs/10_100BASE-T%20Single%20Port%20SMD%20Magnetics_Rev2008.pdf, Mfg="Pulse Eng.", Mfg Part Number=H1102NLT, Supplier 1=Digikey
TP1 TP2 TP3 TP25 TP29 TP30 TP33 TP34 TP35 TP36 TP47 TP49 TP50 TP53 TP57 TP58 TP61 TP68 TP69 TP70 TP71 TP72 TP74 TP75 TP79 TP80 TP81 TP82 TP83 TP85 TP87 TP89 TP90 TP91 TP92 TP93 TP94 TP95 TP96 TP97 TP99 TP100 TP101 TP108 TP109 TP111 TP148 TP149 TP150 TP151 TP181 TP182 TP183 TP184: library part TESTPOINT, "Test Point", ClassName=Testpoint
TP4 TP5 TP8 TP9 TP10 TP11 TP14 TP23 TP24 TP26 TP27 TP28 TP31 TP32 TP38 TP40 TP41 TP42 TP43 TP62 TP63 TP64 TP65 TP73 TP76 TP77 TP78 TP84 TP86 TP98 TP102 TP103 TP104 TP107 TP114 TP115 TP116 TP117 TP118 TP119 TP120 TP121 TP122 TP144 TP145 TP152 TP153 TP154 TP155 TP156 TP157 TP158 TP159 TP160 TP161 TP162 TP176 TP177 TP178 TP179 TP180: library part TESTPOINT_PAD, "Test Point"
TP6 TP7 TP12 TP13 TP15 TP16 TP17 TP18 TP19 TP20 TP44 TP45 TP46 TP48 TP51 TP52 TP54 TP55 TP56 TP59 TP60 TP88 TP110 TP123 TP124 TP125 TP126 TP127 TP128 TP129 TP130 TP131 TP132 TP133 TP134 TP135 TP139 TP141 TP142 TP143 TP163 TP164 TP165 TP166 TP167 TP168 TP169 TP170 TP171 TP172 TP173 TP174 TP175: library part TESTPOINT_PAD_SMALL, "Test Point"
TP21 TP22 TP37 TP39 TP66 TP67 TP105 TP106 TP112 TP113 TP136 TP137 TP138 TP140 TP146 TP147: library part TESTPOINT_PAD_TINY, "Test Point"